# Altium PCB Graviton-EC2.PcbDoc (part 2 of 12)
Units mil, origin at the board's own origin, x right, y up, seen from the top; angles counter-clockwise.
Board outline 7874.02 x 7874.02 mil, 10 copper layers (Top Layer, Internal Plane 1, Signal Layer 1, Internal Plane 2, Signal Layer 2, Signal Layer 3, Internal Plane 3, Signal Layer 4, Internal Plane 4, Bottom Layer), stack 65.914 mil thick; 1307 components, 1540 nets, 8037 pads, 1837 vias.
Unrouted connection lines stored in the file: 117.
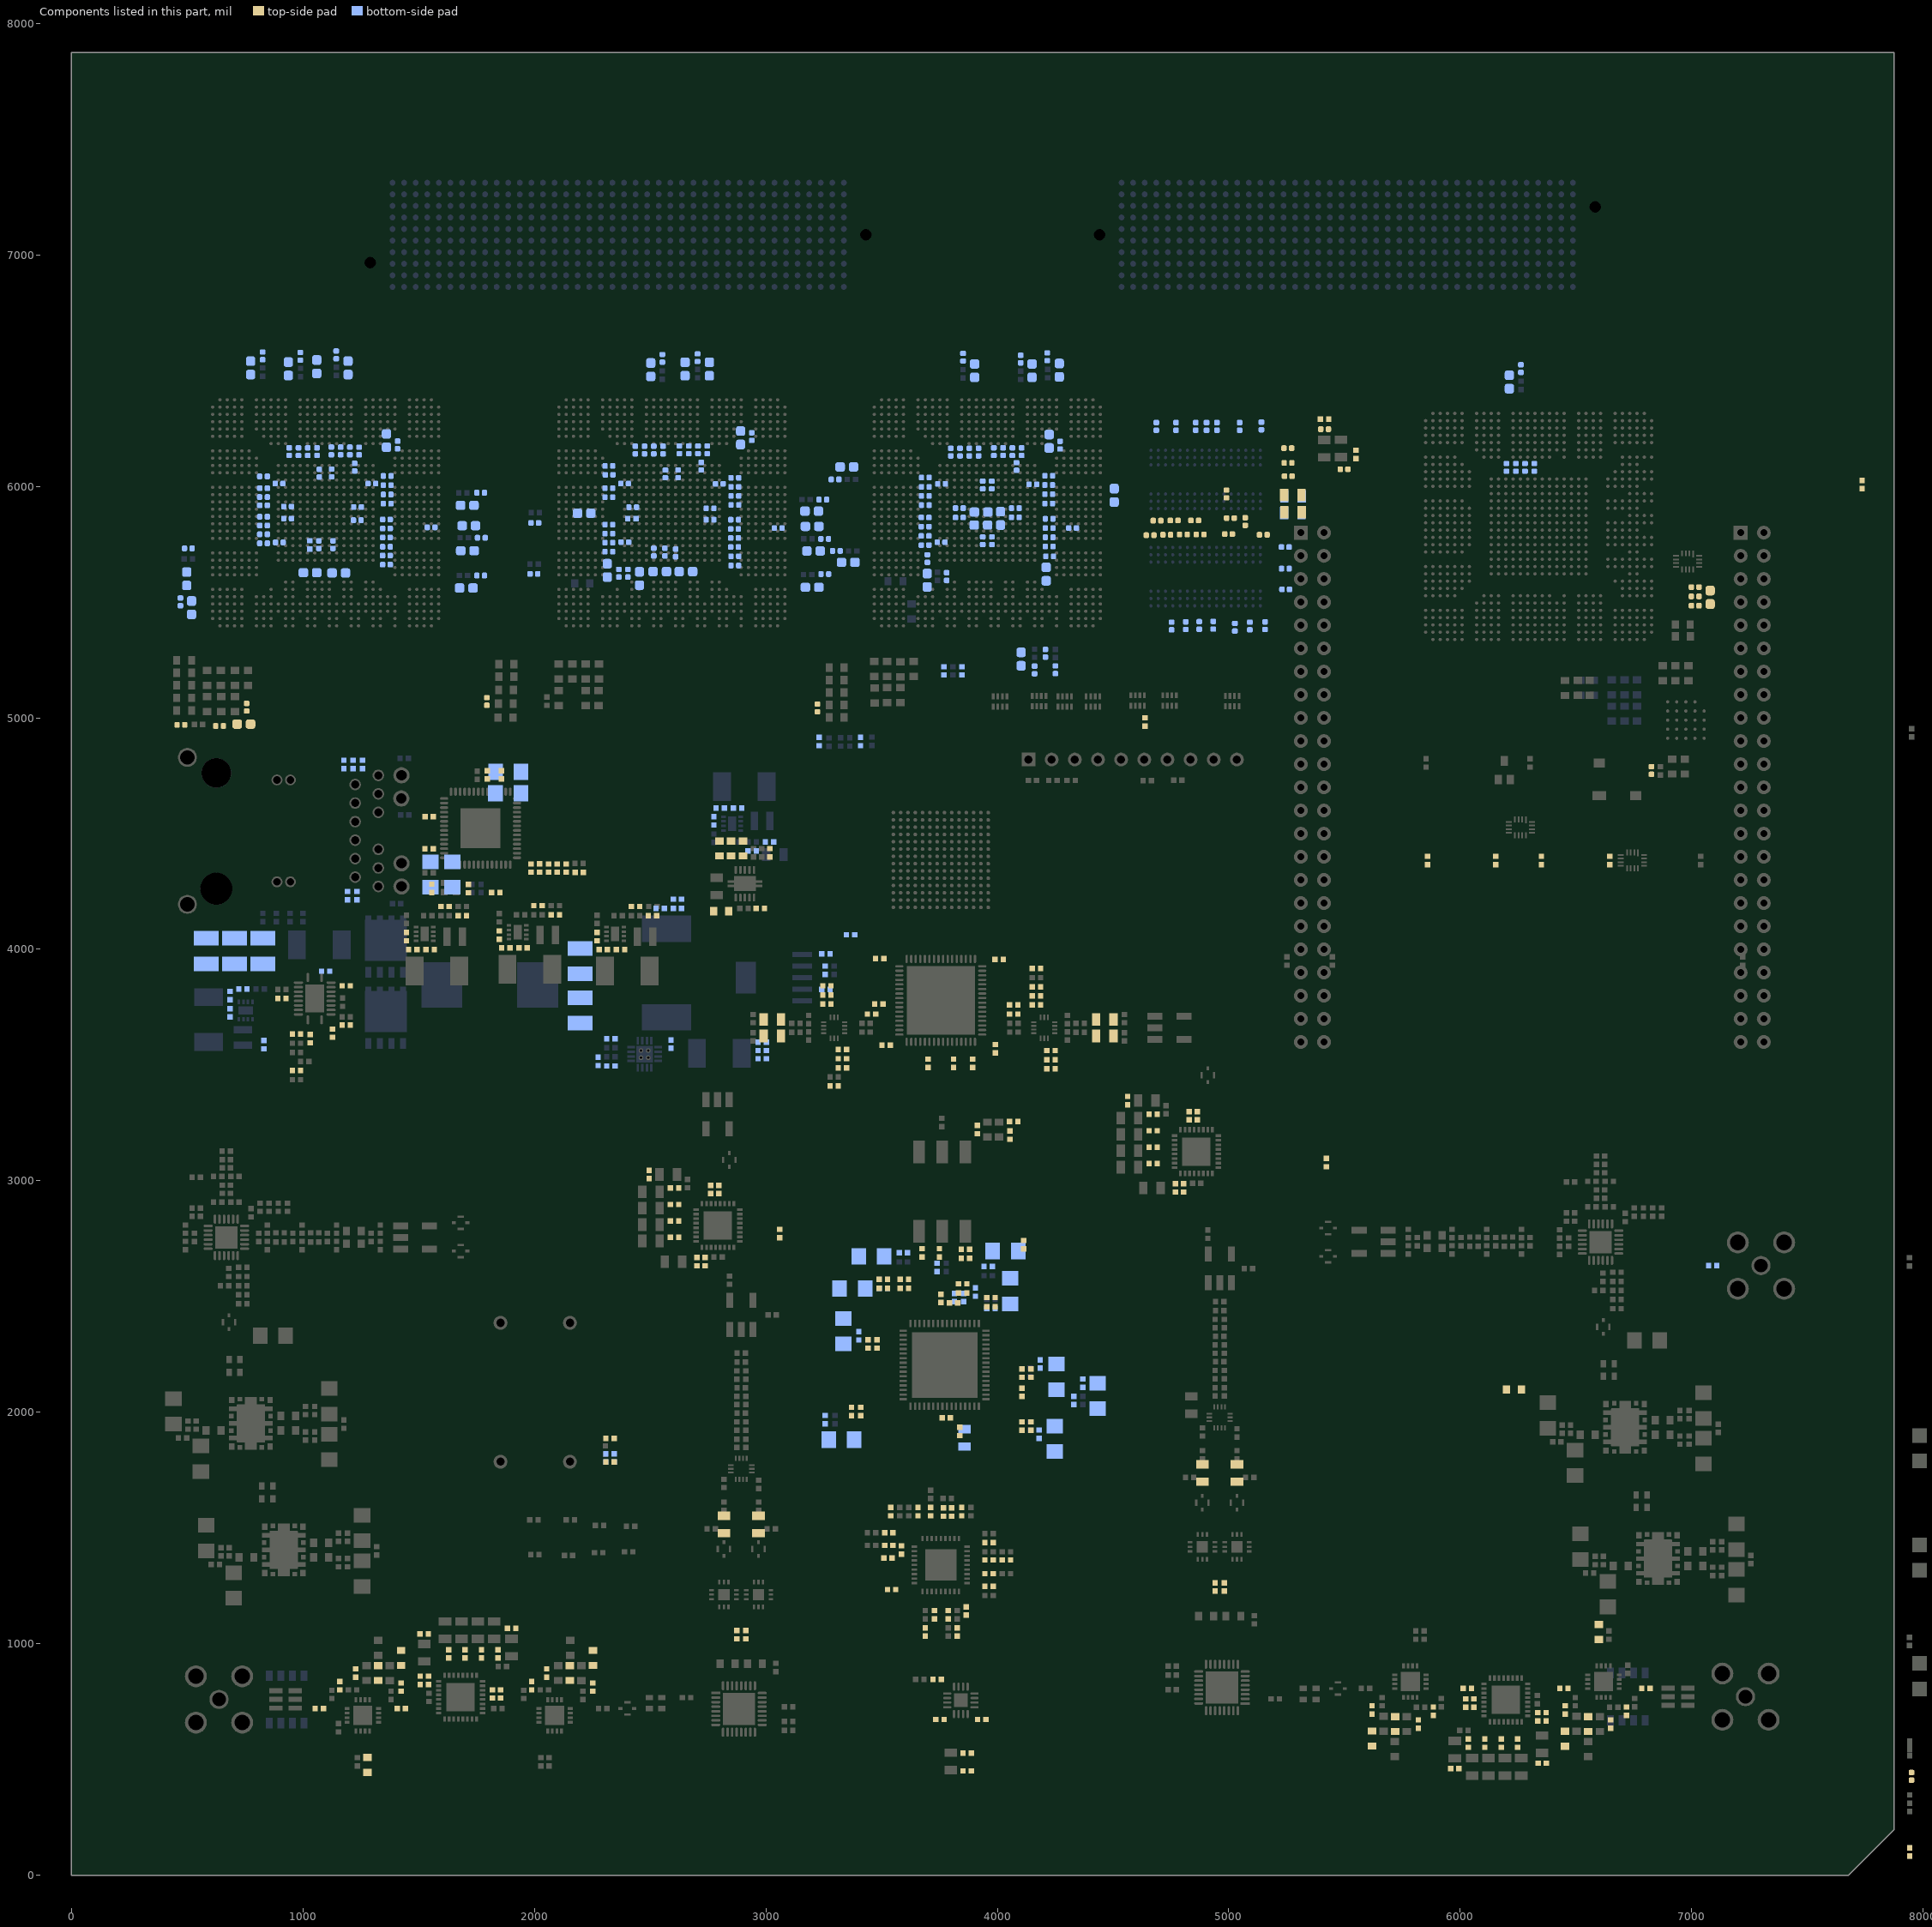
[diagram p10: the components of this part, seen from the top]

## Classes and differential pairs (continued)
differential pair ADC-D3: +ADC-D3_P -ADC-D3_N
differential pair ADC-D4: +ADC-D4_P -ADC-D4_N
differential pair ADC-D5: +ADC-D5_P -ADC-D5_N
differential pair ADC-D6: +ADC-D6_P -ADC-D6_N
differential pair ADC-D7: +ADC-D7_P -ADC-D7_N
differential pair ADC-D8: +ADC-D8_P -ADC-D8_N
differential pair ADC-D9: +ADC-D9_P -ADC-D9_N
differential pair ADC-D10: +ADC-D10_P -ADC-D10_N
differential pair ADC-D11: +ADC-D11_P -ADC-D11_N
differential pair ADC-D12: +ADC-D12_P -ADC-D12_N
differential pair ADC-D13: +ADC-D13_P -ADC-D13_N
differential pair ADC-D14: +ADC-D14_P -ADC-D14_N
differential pair ADC-D15: +ADC-D15_P -ADC-D15_N
differential pair ADC-DCLK: +ADC-DCLK_P -ADC-DCLK_N
differential pair ADC-SYNC: +ADC-SYNC_P -ADC-SYNC_N
differential pair BANK3-DDRCTRL.CLK: +BANK3-DDRCTRL.CLK_P -BANK3-DDRCTRL.CLK_N
differential pair BANK3-DQS32.DQS0: +BANK3-DQS32.DQS0_P -BANK3-DQS32.DQS0_N
differential pair BANK3-DQS32.DQS1: +BANK3-DQS32.DQS1_P -BANK3-DQS32.DQS1_N
differential pair BANK3-DQS32.DQS2: +BANK3-DQS32.DQS2_P -BANK3-DQS32.DQS2_N
differential pair BANK3-DQS32.DQS3: +BANK3-DQS32.DQS3_P -BANK3-DQS32.DQS3_N
differential pair CLIENT-CLK: +CLIENT-CLK_P -CLIENT-CLK_N
differential pair CLKOUT3: +CLKOUT3_P -CLKOUT3_N
differential pair DAC-LVDS.DAC-D0: +DAC-LVDS.DAC-D0_P -DAC-LVDS.DAC-D0_N
differential pair DAC-LVDS.DAC-D1: +DAC-LVDS.DAC-D1_P -DAC-LVDS.DAC-D1_N
differential pair DAC-LVDS.DAC-D2: +DAC-LVDS.DAC-D2_P -DAC-LVDS.DAC-D2_N
differential pair DAC-LVDS.DAC-D3: +DAC-LVDS.DAC-D3_P -DAC-LVDS.DAC-D3_N
differential pair DAC-LVDS.DAC-D4: +DAC-LVDS.DAC-D4_P -DAC-LVDS.DAC-D4_N
differential pair DAC-LVDS.DAC-D5: +DAC-LVDS.DAC-D5_P -DAC-LVDS.DAC-D5_N
differential pair DAC-LVDS.DAC-D6: +DAC-LVDS.DAC-D6_P -DAC-LVDS.DAC-D6_N
differential pair DAC-LVDS.DAC-D7: +DAC-LVDS.DAC-D7_P -DAC-LVDS.DAC-D7_N
differential pair DAC-LVDS.DAC-D8: +DAC-LVDS.DAC-D8_P -DAC-LVDS.DAC-D8_N
differential pair DAC-LVDS.DAC-D9: +DAC-LVDS.DAC-D9_P -DAC-LVDS.DAC-D9_N
differential pair DAC-LVDS.DAC-D10: +DAC-LVDS.DAC-D10_P -DAC-LVDS.DAC-D10_N
differential pair DAC-LVDS.DAC-D11: +DAC-LVDS.DAC-D11_P -DAC-LVDS.DAC-D11_N
differential pair DAC-LVDS.DAC-D12: +DAC-LVDS.DAC-D12_P -DAC-LVDS.DAC-D12_N
differential pair DAC-LVDS.DAC-D13: +DAC-LVDS.DAC-D13_P -DAC-LVDS.DAC-D13_N
differential pair DAC-LVDS.DAC-D14: +DAC-LVDS.DAC-D14_P -DAC-LVDS.DAC-D14_N
differential pair DAC-LVDS.DAC-D15: +DAC-LVDS.DAC-D15_P -DAC-LVDS.DAC-D15_N
differential pair DAC-LVDS.DAC-DCLK: +DAC-LVDS.DAC-DCLK_P -DAC-LVDS.DAC-DCLK_N
differential pair DAC-LVDS.DAC-FRAME: +DAC-LVDS.DAC-FRAME_P -DAC-LVDS.DAC-FRAME_N
differential pair DAC-LVDS.DAC-OSTR: +DAC-LVDS.DAC-OSTR_P -DAC-LVDS.DAC-OSTR_N
differential pair DAC-LVDS.DAC-PARITY: +DAC-LVDS.DAC-PARITY_P -DAC-LVDS.DAC-PARITY_N
differential pair DAC-LVDS.DAC-SYNC: +DAC-LVDS.DAC-SYNC_P -DAC-LVDS.DAC-SYNC_N
differential pair DACCLK: +DACCLK_P -DACCLK_N
differential pair FPGA-CLK0: +FPGA-CLK0_P -FPGA-CLK0_N
differential pair FPGA-CLK1: +FPGA-CLK1_P -FPGA-CLK1_N
differential pair FPGA-CLK2: +FPGA-CLK2_P -FPGA-CLK2_N
differential pair FPGA-CLK-SRC: +FPGA-CLK-SRC_P -FPGA-CLK-SRC_N
differential pair IOUTA: +IOUTA_P -IOUTA_N
differential pair IOUTB: +IOUTB_P -IOUTB_N
differential pair MDI0: +MDI0_P -MDI0_N
differential pair MDI1: +MDI1_P -MDI1_N
differential pair MDI2: +MDI2_P -MDI2_N
differential pair MDI3: +MDI3_P -MDI3_N
differential pair P1A-DDRCCCLK: +P1A-DDRCCCLK_P -P1A-DDRCCCLK_N
differential pair P1A-SDRCCCLK: +P1A-SDRCCCLK_P -P1A-SDRCCCLK_N
differential pair P1B-DDRCCCLK: +P1B-DDRCCCLK_P -P1B-DDRCCCLK_N
differential pair P1B-SDRCCCLK: +P1B-SDRCCCLK_P -P1B-SDRCCCLK_N
differential pair P2A-DDRCCCLK: +P2A-DDRCCCLK_P -P2A-DDRCCCLK_N
differential pair P2A-SDRCCCLK: +P2A-SDRCCCLK_P -P2A-SDRCCCLK_N
differential pair P2B-DDRCCCLK: +P2B-DDRCCCLK_P -P2B-DDRCCCLK_N
differential pair P2B-SDRCCCLK: +P2B-SDRCCCLK_P -P2B-SDRCCCLK_N
differential pair RX2-BANK3-DQS32.DQS3: +RX2-BANK3-DQS32.DQS3_P -RX2-BANK3-DQS32.DQS3_N
differential pair RXLO0: +RXLO0_P -RXLO0_N
differential pair RXLO1: +RXLO1_P -RXLO1_N
differential pair TXLO0: +TXLO0_P -TXLO0_N
differential pair TXLO1: +TXLO1_P -TXLO1_N
differential pair VXO: +VXO_P -VXO_N
differential pair ADC-INB: +ADC-INB_P -ADC-INB_N
differential pair ADC-INA: +ADC-INA_P -ADC-INA_N
differential pair TXBBICA: +TXBBICA_P -TXBBICA_N
differential pair TXBBICB: +TXBBICB_P -TXBBICB_N
differential pair TXLOICA: +TXLOICA_P -TXLOICA_N
differential pair TXLOICB: +TXLOICB_P -TXLOICB_N

## Components (designator, comment, footprint, x,y, rotation, side; value= is the part's Value field where it differs from the comment)
C1 "CAP 0402" 0402 8082.68,6779.72 r90 top
C2 "CAP 0402" 0402 8397.64,5519.88 r90 top
C3 "CAP 0402" 0402 8397.64,5618.31 r90 top
C4 "CAP 0402" 0402 8397.64,5815.16 r90 top
C5 "CAP 0402" 0402 7736.22,6007.87 r90 top
C6 "CAP 0402" 0402 8397.64,6208.86 r90 top
C7 "CAP 0402" 0402 4169.29,3759.84 r0 top
C8 "CAP 0402" 0402 4169.29,3799.21 r0 top
C9 "CAP 0402" 0402 3330.71,3527.56 r180 top
C10 "CAP 0402" 0402 4169.29,3838.58 r0 top
C11 "CAP 0402" 0402 3330.71,3488.19 r180 top
C12 "CAP 0402" 0402 4169.29,3917.32 r180 top
C13 "CAP 0402" 0402 4007.87,3956.69 r180 top
C14 "CAP 0402" 0402 3488.19,3763.78 r0 top
C15 "CAP 0402" 0402 3492.13,3960.63 r0 top
C16 "CAP 0402" 0402 4232.28,3562.99 r180 top
C17 "CAP 0402" 0402 4232.28,3523.62 r180 top
C18 "CAP 0402" 0402 4232.28,3484.25 r180 top
C19 "CAP 0805" 0805 4464.57,3625.98 r180 top
C20 "CAP 0805" 0805 4464.57,3696.85 r180 top
C21 "CAP 0402" 0402 3263.78,3763.78 r0 top
C22 "CAP 0402" 0402 3263.78,3803.15 r0 top
C23 "CAP 0402" 0402 3263.78,3842.52 r0 top
C24 "CAP 0805" 0805 3027.56,3696.85 r0 top
C25 "CAP 0805" 0805 3027.56,3625.98 r0 top
C26 "CAP 0402" 0402 3255.91,3909.45 r90 bottom
C27 "CAP 0402" 0402 3366.14,4062.99 r0 bottom
C28 "CAP 0402" 0402 4070.87,3720.47 r180 top
C29 "CAP 0402" 0402 3992.13,3570.87 r90 top
C30 "CAP 0402" 0402 4070.87,3759.84 r180 top
C31 "CAP 0402" 0402 3456.69,3720.47 r0 top
C32 "CAP 0402" 0402 3259.84,3980.32 r180 bottom
C33 "CAP 0402" 0402 3259.84,3826.77 r180 bottom
C34 "CAP 0402" 0402 7090.55,2633.86 r0 bottom
C35 "CAP 0402" 0402 3811.02,2472.44 r180 top
C36 "CAP 0402" 0402 3755.91,2492.13 r270 top
C37 "CAP 0402" 0402 3862.2,2704.72 r180 top
C38 "CAP 0402" 0402 3862.2,2665.35 r180 top
C39 "CAP 0402" 0402 3740.16,2625.98 r90 bottom
C40 "CAP 0402" 0402 2326.77,1785.63 r180 top
C41 "CAP 0402" 0402 2326.77,1785.63 r180 bottom
C42 "CAP 0402" 0402 2326.77,1821.06 r180 bottom
C43 "CAP 0402" 0402 2326.77,1887.99 r180 top
C44 "CAP 0402" 0402 3598.43,2535.43 r0 top
C45 "CAP 0402" 0402 3598.43,2574.8 r0 top
C46 "CAP 0402" 0402 3594.49,2688.98 r180 bottom
C47 "CAP 0402" 1206 3456.69,2673.23 r0 bottom
C48 "GRM155R71A104KA01J" CAPC1005X56N#1 6826.23,4772.86 r90 top
C49 "CAP 0402" 0402 3854.33,2496.06 r90 bottom
C50 "CAP 0402" 0402 3814.96,2496.06 r90 bottom
C51 "CAP 0402" 0402 3370.08,2003.94 r270 top
C52 "CAP 0402" 0402 3409.45,2003.94 r270 top
C53 "CAP 0402" 0402 3255.91,1968.5 r270 bottom
C54 "CAP 0402" 1206 3326.77,1881.89 r180 bottom
C55A "CAP 0402" 0402 14723.94,3877.35 r90 top (schematic designator C55)
C55B "CAP 0402" 0402 12172.75,3222.03 r90 top (schematic designator C55)
C56 "CAP 0402" 0402 3675.2,2688.98 r90 top
C57 "CAP 0402" 0402 4106.3,1940.94 r90 top
C58 "CAP 0402" 0402 4145.67,1940.94 r90 top
C59 "CAP 0402" 0402 4181.1,1905.51 r90 bottom
C60 "CAP 0402" 1206 4248.03,1885.83 r90 bottom
C61A "CAP 0402" 0402 15074.35,3877.35 r90 top (schematic designator C61)
C61B "CAP 0402" 0402 12523.17,3222.03 r90 top (schematic designator C61)
C62 "CAP 0402" 0402 3750,2688.98 r270 top
C63 "CAP 0402" 0402 4106.3,2169.29 r270 top
C64 "CAP 0402" 0402 4145.67,2169.29 r270 top
C65 "CAP 0402" 0402 4185.04,2208.66 r270 bottom
C66 "CAP 0402" 1206 4255.91,2153.54 r90 bottom
C67 "CAP 0402" 0402 3905.51,2519.69 r90 bottom
C68 "CAP 0402" 0402 3480.32,2295.28 r270 top
C69 "CAP 0402" 0402 3440.94,2295.28 r270 top
C70 "CAP 0402" 0402 3401.57,2330.71 r270 bottom
C71 "CAP 0402" 1206 3334.65,2350.39 r270 bottom
C72A "CAP 0402" 0402 4940.94,1245.67 r90 top (schematic designator C72)
C72B "CAP 0402" 0402 2874.02,1039.37 r90 top (schematic designator C72)
C73 "CAP 0402" 0402 3972.44,2456.69 r180 top
C74 "CAP 0402" 0402 3972.44,2496.06 r180 top
C75 "CAP 0402" 0402 3972.44,2448.82 r0 bottom
C76 "CAP 0402" 1206 4055.12,2523.62 r270 bottom
C77A "CAP 0402" 0402 4980.32,1245.67 r90 top (schematic designator C77)
C77B "CAP 0402" 0402 2913.39,1039.37 r90 top (schematic designator C77)
C78 "CAP 10UF 0805" 0805 3858.27,1889.76 r90 bottom
C79 "CAP 0402" 0402 3838.58,1917.32 r90 top
C80 "CAP 0402" 0402 4106.3,2086.61 r90 top
C81 "CAP 0402" 0402 4330.71,2051.18 r270 bottom
C82 "CAP 0402" 0402 4370.08,2125.98 r270 bottom
C83 "CAP 0402" 1206 4433.07,2070.87 r90 bottom
C84A "CAP 0805" 0805 4885.83,1737.99 r270 top (schematic designator C84)
C84B "CAP 0805" 0805 2818.9,1515.75 r270 top (schematic designator C84)
C85 "CAP 0402" 0402 4070.87,3256.69 r0 top
C86 "CAP 0402" 0402 4055.12,3197.64 r90 top
C87 "CAP 0402" 0402 3913.39,3221.26 r90 top
C88 "CAP 0402" 1206 -1009.54,3074.02 r0 top
C89 "CAP 0402" 1206 -1009.54,2877.17 r0 top
C90 "CAP 0402" 0402 -989.86,3802.37 r0 top
C91 "CAP 0402" 0402 -911.12,4451.98 r0 top
C92 "CAP 0402" 0402 -911.12,4255.13 r0 top
C93 "CAP 0402" 0402 -911.12,4058.28 r0 top
C94 "CAP 0402" 0402 -1045.08,3818.9 r0 top
C95 "CAP 0402" 0402 -1045.08,3622.05 r0 top
C96 "CAP 0402" 0402 -989.86,4392.92 r0 top
C97 "CAP 0402" 0402 -989.86,4196.07 r0 top
C98 "CAP 0402" 0402 -1084.45,3858.27 r0 top
C99 "CAP 0402" 0402 -1084.45,3661.42 r0 top
C100 "CAP 0402" 0402 -1068.6,4255.13 r0 top
C101 "CAP 0402" 0402 -1068.6,3959.85 r0 top
C102 "CAP 0402" 0402 -1068.6,3664.57 r0 top
C103 "CAP 0402" 0402 -1045.08,4311.02 r0 top
C104 "CAP 0402" 0402 -1281.3,4507.87 r0 top
C105 "CAP 0402" 0402 -1281.3,4212.6 r0 top
C106 "CAP 0402" 0402 -1281.3,3917.32 r0 top
C107 "CAP 0402" 0402 -1281.3,3622.05 r0 top
C108 "CAP 0402" 0402 -1107.97,4373.24 r0 top
C109 "CAP 0402" 0402 -1107.97,4077.96 r0 top
C110 "CAP 0402" 0402 6645.67,4384.06 r270 top
C111 "CAP 0402" 0402 6350.39,4384.06 r270 top
C112 "CAP 0402" 0402 6153.54,4384.06 r270 top
C113 "CAP 0402" 0402 5858.27,4384.06 r270 top
C114 "CAP 0402" 0402 4638,4982 r90 top
C115 "GRM155R71A104KA01J" CAPC1005X56N#1 4999,5794 r0 top
C116 "GRM155R71A104KA01J" CAPC1005X56N#1 5157,5398 r90 bottom
C117 "GRM155R71A104KA01J" CAPC1005X56N#1 4872.46,5399.19 r90 bottom
C118 "GRM155R71A104KA01J" CAPC1005X56N#1 4753,5397 r90 bottom
C119 "GRM155R71A104KA01J" CAPC1005X56N#1 4732,5791 r0 top
C120 "GRM155R71A104KA01J" CAPC1005X56N#1 5091,5397 r90 bottom
C121 "GRM155R71A104KA01J" CAPC1005X56N#1 5149,5791 r180 top
C122 "GRM155R71A104KA01J" CAPC1005X56N#1 4933,5400 r90 bottom
C123 "GRM155R71A104KA01J" CAPC1005X56N#1 4814,5398 r90 bottom
C124 "GRM155R71A104KA01J" CAPC1005X56N#1 4804,5792 r0 top
C125 "GRM155R71A104KA01J" CAPC1005X56N#1 4660,5789 r180 top
C126 "10uF, 10V" 0805 5276.92,5884.17 r180 bottom
C127 "GRM155R71A104KA01J" CAPC1005X56N#1 4876,5792 r180 top
C128 "GRM155R71A104KA01J" CAPC1005X56N#1 5026.3,5391.49 r90 bottom
C129 "GRM155R71A104KA01J" CAPC1005X56N#1 5246,5555 r180 bottom
C130 "GRM155R71A104KA01J" CAPC1005X56N#1 5244.51,5644.75 r180 bottom
C131 "GRM155R71A104KA01J" CAPC1005X56N#1 5244,5738 r180 bottom
C132 "10uF, 10V" 0805 5278,5957 r180 bottom
C133 "GRM155R71A104KA01J" CAPC1005X56N#1 5414,6247 r180 top
C134 "GRM155R71A104KA01J" CAPC1005X56N#1 5498,6074 r180 top
C135 "GRM155R71A104KA01J" CAPC1005X56N#1 5141,6261 r270 bottom
C136 "CAP 0402" 0402 5414,6290 r180 top
C137 "CAP 0402" 0402 5549,6138 r270 top
C138 "GRM155R71A104KA01J" CAPC1005X56N#1 4772,6259 r270 bottom
C139 "GRM155R71A104KA01J" CAPC1005X56N#1 4949,6259 r270 bottom
C140 "GRM155R71A104KA01J" CAPC1005X56N#1 4690,5852 r0 top
C141 "GRM155R71A104KA01J" CAPC1005X56N#1 5071,5848 r270 top
C142 "GRM155R71A104KA01J" CAPC1005X56N#1 4687,6259 r270 bottom
C143 "GRM155R71A104KA01J" CAPC1005X56N#1 5047,6259 r270 bottom
C144 "GRM155R71A104KA01J" CAPC1005X56N#1 4764,5853 r180 top
C145 "GRM155R71A104KA01J" CAPC1005X56N#1 4853,5853 r0 top
C146 "GRM155R71A104KA01J" CAPC1005X56N#1 5007,5863 r180 top
C147 "GRM155R71A104KA01J" CAPC1005X56N#1 4857,6259 r270 bottom
C148 "GRM155R71A104KA01J" CAPC1005X56N#1 4904,6259 r270 bottom
C149 "10uF, 10V" 0805 5277,5963 r180 top
C150 "GRM155R71A104KA01J" CAPC1005X56N#1 4990,5967 r270 top
C151 "GRM155R71A104KA01J" CAPC1005X56N#1 5256,6101 r180 top
C152 "GRM155R71A104KA01J" CAPC1005X56N#1 5257,6044 r180 top
C153 "GRM155R71A104KA01J" CAPC1005X56N#1 5255,6165 r180 top
C154A "CAP 0805" 0805 5035.43,1737.99 r270 top (schematic designator C154)
C154B "CAP 0805" 0805 2968.5,1515.75 r270 top (schematic designator C154)
C155 "10uF, 10V" 0805 5278,5889 r180 top
C156 "1uF" 0402 8441.72,4935.34 r90 top
C157 "1uF" 0402 8737,4935.34 r90 top
C158 "100nF" 0402 9032.28,4935.34 r90 top
C159 "100nF" 0402 9327.55,4935.34 r90 top
C160 "GRM155R71A104KA01J" CAPC1005X56N#1 6262,6509 r270 bottom
C161 "GRM188R71A225KE15D" CAPC1608X90N 6212,6451 r270 bottom
C162 "GRM155R71A104KA01J" CAPC1005X56N#1 6240,6082 r270 bottom
C163 "GRM155R71A104KA01J" CAPC1005X56N#1 6200,6082 r270 bottom
C164 "GRM155R71A104KA01J" CAPC1005X56N#1 6280,6082 r270 bottom
C165 "GRM155R71A104KA01J" CAPC1005X56N#1 6320,6082 r270 bottom
C166 "GRM188R71A225KE15D" CAPC1608X90N 7079.86,5520.77 r90 top
C167 "GRM155R71A104KA01J" CAPC1005X56N#1 7014.86,5484.77 r0 top
C168 "GRM155R71A104KA01J" CAPC1005X56N#1 7014.86,5524.77 r0 top
C169 "GRM155R71A104KA01J" CAPC1005X56N#1 7014.86,5564.77 r0 top
C170A "CAP 0402" 0402 6802.17,807.09 r0 top (schematic designator C170)
C170B "CAP 0402" 0402 1070.87,720.47 r180 top (schematic designator C170)
C171 "CAP 0402" 0402 8484.25,3431.3 r90 top
C172 "CAP 0402" 0402 11296.06,2474.71 r90 top
C173 "GRM188R71A225KE15D" CAPC1608X90N 8048.02,2474.71 r90 top
C174 "GRM188R71A225KE15D" CAPC1608X90N 8244.87,2474.71 r90 top
C175 "GRM188R71A225KE15D" CAPC1608X90N 8540.15,2474.71 r90 top
C176 "GRM155R71A104KA01J" CAPC1005X56N#1 8835.43,2474.71 r90 top
C177 "GRM155R71A104KA01J" CAPC1005X56N#1 9130.7,2474.71 r90 top
C178 "GRM155R71A104KA01J" CAPC1005X56N#1 9425.98,2474.71 r90 top
C179 "GRM155R71A104KA01J" CAPC1005X56N#1 9721.25,2474.71 r90 top
C180 "GRM155R71A104KA01J" CAPC1005X56N#1 9918.1,2474.71 r90 top
C181 "GRM155R71A104KA01J" CAPC1005X56N#1 10213.38,2474.71 r90 top
C182 "GRM155R71A104KA01J" CAPC1005X56N#1 10508.65,2474.71 r90 top
C183 "GRM155R71A104KA01J" CAPC1005X56N#1 10803.93,2474.71 r90 top
C184 "CAP 0402" 0402 3330.71,3566.93 r180 top
C185 "CAP 0402" 0402 3295.28,3409.45 r180 top
C186 "CAP 0402" 0402 3700.79,3507.87 r90 top
C187 "CAP 0402" 0402 3811.02,3507.87 r90 top
C188 "CAP 0402" 0402 3519.69,3586.61 r0 top
C189 "CAP 0402" 0402 3893.7,3507.87 r90 top
C190A "CAP 10UF 0402" 0402 1848.98,4061.65 r270 top (schematic designator C190)
C190B "CAP 10UF 0402" 0402 2270.24,4054.76 r270 top (schematic designator C190)
C190C "CAP 10UF 0402" 0402 1447.4,4054.76 r270 top (schematic designator C190)
C190D "CAP 10UF 0402" 0402 740.79,3828.19 r180 bottom (schematic designator C190)
C190E "CAP 10UF 0402" 0402 2775.59,4555.12 r90 bottom (schematic designator C190)
C191A "CAP 10UF 0402" 0402 1951.34,4006.53 r180 top (schematic designator C191)
C191B "CAP 10UF 0402" 0402 2372.6,3999.65 r180 top (schematic designator C191)
C191C "CAP 10UF 0402" 0402 1549.76,3999.65 r180 top (schematic designator C191)
C191D "CAP 10UF 0402" 0402 685.67,3725.83 r270 bottom (schematic designator C191)
C191E "CAP 10UF 0402" 0402 2877.95,4610.24 r180 bottom (schematic designator C191)
C192A "CAP 10UF 0402" 0402 1876.54,4006.53 r0 top (schematic designator C192)
C192B "CAP 10UF 0402" 0402 2297.8,3999.65 r0 top (schematic designator C192)
C192C "CAP 10UF 0402" 0402 1474.96,3999.65 r0 top (schematic designator C192)
C192D "CAP 10UF 0402" 0402 685.67,3800.63 r90 bottom (schematic designator C192)
C192E "CAP 10UF 0402" 0402 2803.15,4610.24 r0 bottom (schematic designator C192)
C193A "CAP 10UF 0402" 0402 2090.55,4149.61 r180 top (schematic designator C193)
C193B "CAP 10UF 0402" 0402 2510.39,4145.32 r180 top (schematic designator C193)
C193C "CAP 10UF 0402" 0402 1688.98,4145.67 r180 top (schematic designator C193)
C193D "CAP 10UF 0402" 0402 831.34,3588.03 r270 bottom (schematic designator C193)
C193E "CAP 10UF 0402" 0402 3015.75,4464.57 r180 bottom (schematic designator C193)
C194A "100nF" 0402 6354.33,484.25 r180 top (schematic designator C194)
C194B "100nF" 0402 5421.26,3078.74 r90 top (schematic designator C194)
C194C "100nF" 0402 1523.62,1043.31 r0 top (schematic designator C194)
C194D "100nF" 0402 3059.84,2772.64 r90 top (schematic designator C194)
C195A "1uF" 0402 6371.06,685.04 r90 top (schematic designator C195)
C195B "1uF" 0402 4787.4,2951.77 r0 top (schematic designator C195)
C195C "1uF" 0402 1506.89,842.52 r270 top (schematic designator C195)
C195D "1uF" 0402 2720.08,2632.87 r0 top (schematic designator C195)
C196A "100nF" 0402 6334.65,685.04 r90 top (schematic designator C196)
C196B "100nF" 0402 4787.4,2988.19 r0 top (schematic designator C196)
C196C "100nF" 0402 1543.31,842.52 r270 top (schematic designator C196)
C196D "100nF" 0402 2720.08,2669.29 r0 top (schematic designator C196)
C197A "100nF" 0402 6059.06,744.09 r90 top (schematic designator C197)
C197B "100nF" 0402 4846.46,3263.78 r0 top (schematic designator C197)
C197C "100nF" 0402 1818.9,783.46 r270 top (schematic designator C197)
C197D "100nF" 0402 2779.13,2944.88 r0 top (schematic designator C197)
C198A "1uF" 0402 6023.62,744.09 r90 top (schematic designator C198)
C198B "1uF" 0402 4846.46,3299.21 r0 top (schematic designator C198)
C198C "1uF" 0402 1854.33,783.46 r270 top (schematic designator C198)
C198D "1uF" 0402 2779.13,2980.31 r0 top (schematic designator C198)
C199A "100nF" 0402 5976.38,460.63 r0 top (schematic designator C199)
C199B "100nF" 0402 4562.99,3346.46 r270 top (schematic designator C199)
C199C "100nF" 0402 1901.57,1066.93 r180 top (schematic designator C199)
C199D "100nF" 0402 2495.67,3027.56 r270 top (schematic designator C199)
C200A "CAP 0402" 0402 6248.03,570.87 r90 top (schematic designator C200)
C200B "CAP 0402" 0402 4673.23,3074.8 r0 top (schematic designator C200)
C200C "CAP 0402" 0402 1629.92,956.69 r270 top (schematic designator C200)
C200D "CAP 0402" 0402 2605.91,2755.91 r0 top (schematic designator C200)
C201A "CAP 0402" 0402 6177.17,570.87 r90 top (schematic designator C201)
C201B "CAP 0402" 0402 4673.23,3145.67 r0 top (schematic designator C201)
C201C "CAP 0402" 0402 1700.79,956.69 r270 top (schematic designator C201)
C201D "CAP 0402" 0402 2605.91,2826.77 r0 top (schematic designator C201)
C202A "CAP 0402" 0402 6106.3,570.87 r90 top (schematic designator C202)
C202B "CAP 0402" 0402 4673.23,3216.54 r0 top (schematic designator C202)
C202C "CAP 0402" 0402 1771.65,956.69 r270 top (schematic designator C202)
C202D "CAP 0402" 0402 2605.91,2897.64 r0 top (schematic designator C202)
C203A "CAP 0402" 0402 6035.43,570.87 r90 top (schematic designator C203)